# Altium PCB DSP-V1.0.PcbDoc (part 1 of 2)
Units mil, origin at the board's own origin, x right, y up, seen from the top; angles counter-clockwise.
Board outline 3779.53 x 1968.5 mil, 2 copper layers (Top Layer, Bottom Layer); 226 components, 113 nets, 562 pads, 492 vias.
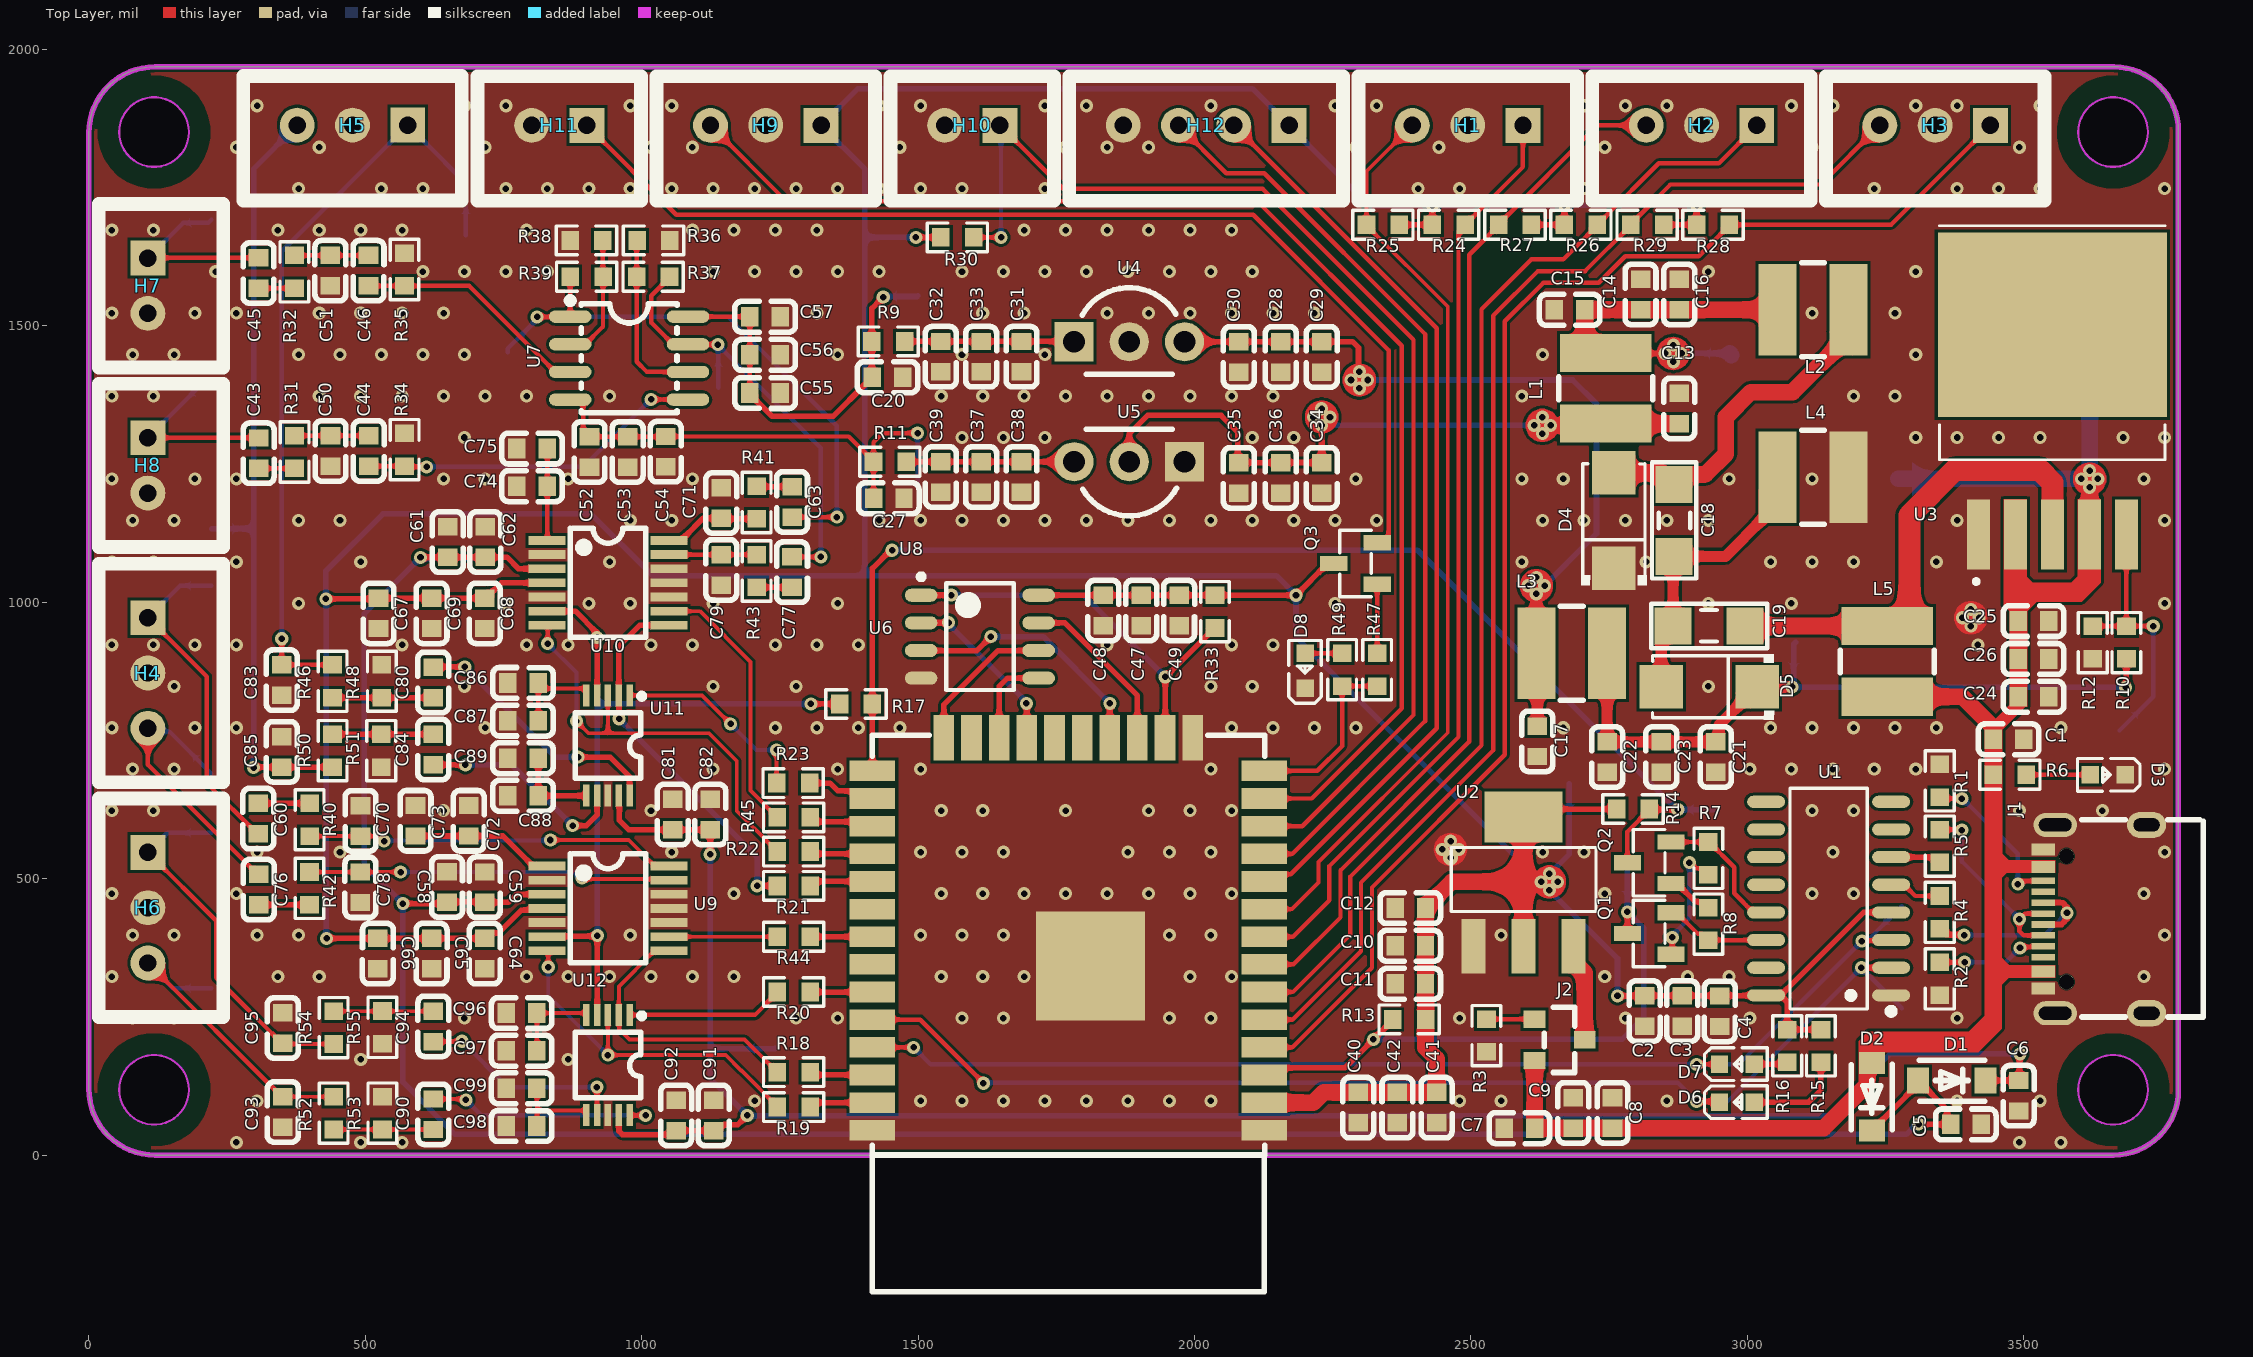
[diagram p0: Top Layer view]
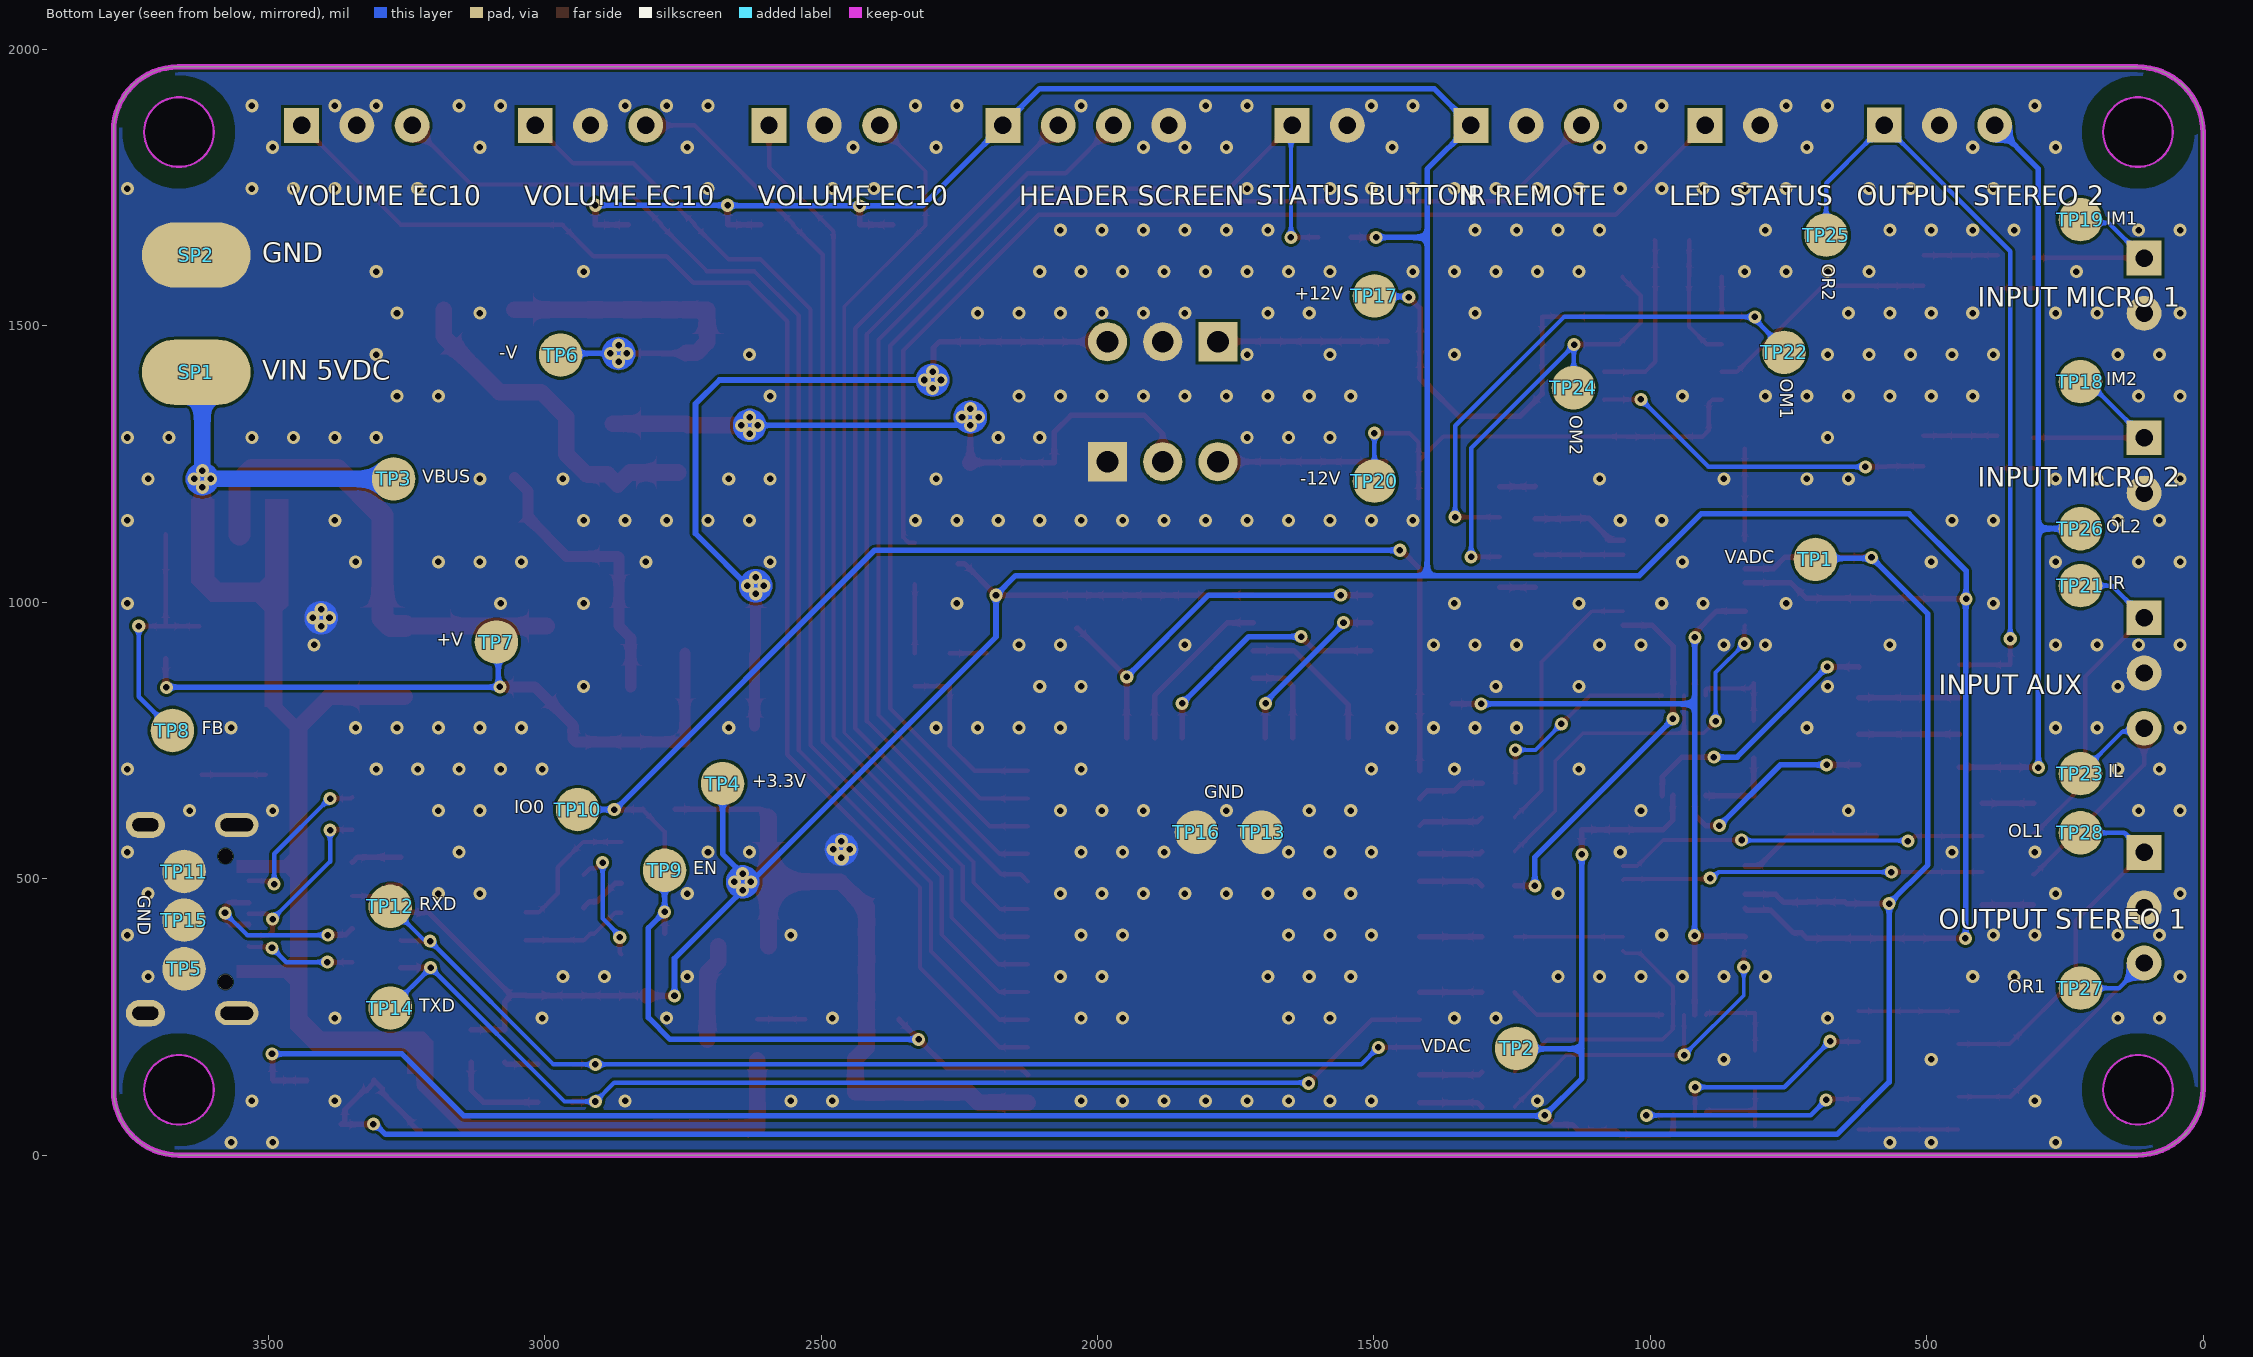
[diagram p1: Bottom Layer view, seen from below]
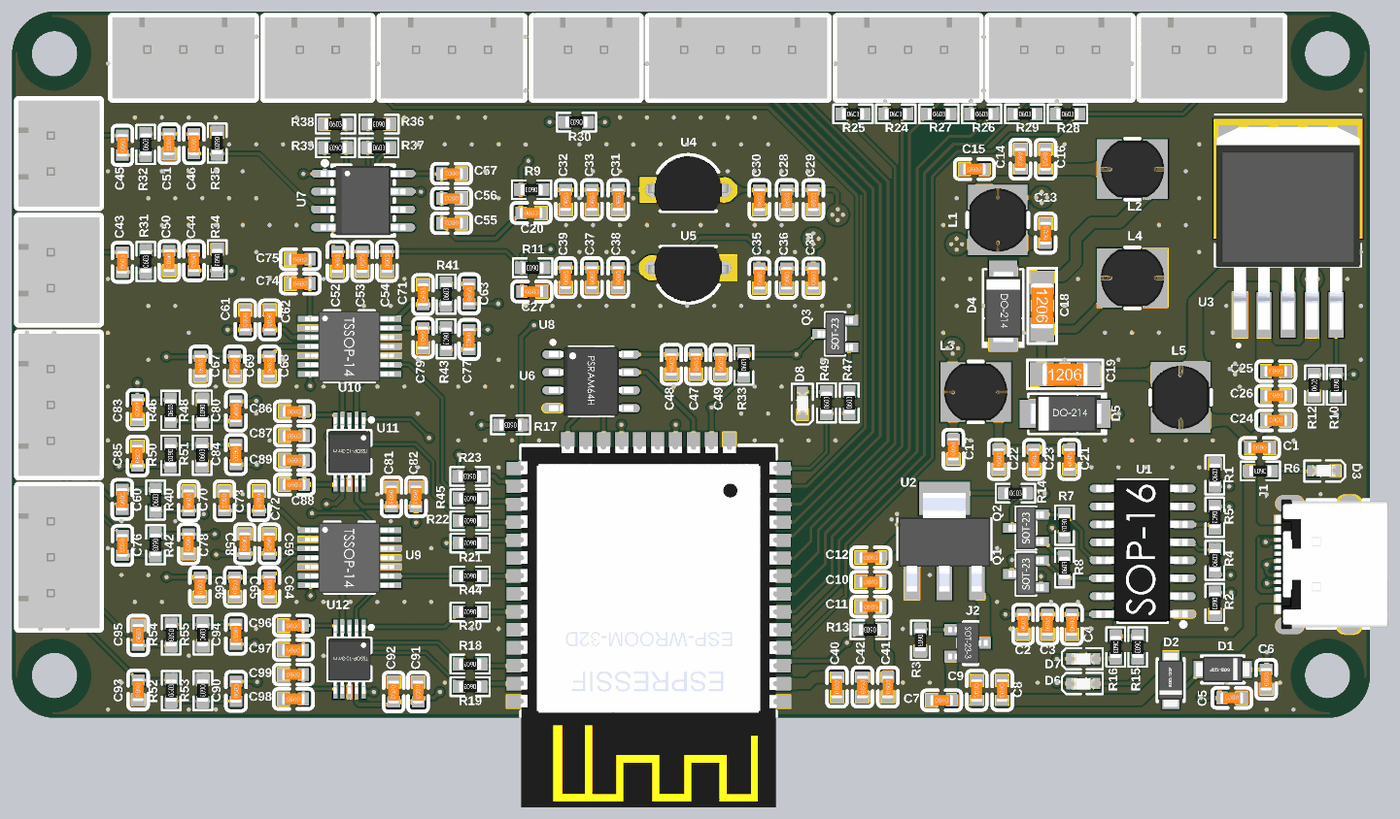
[diagram p3: 3D render of the assembled board from above, using the file's embedded part models]

## Layer stack, top to bottom
Top Solder: solder mask 0.4, Solder Resist, Dk 3.5
Top Layer: signal copper 1.4
Dielectric 1: dielectric 12.6, FR-4, Dk 4.8
Bottom Layer: signal copper 1.4
Bottom Solder: solder mask 0.4, Solder Resist, Dk 3.5

## Board outline
0,120 0,1848.6 cw(c119.9,1848.6) 119.9,1968.5 3662.72,1968.5 cw(c3662.72,1851.7) 3779.53,1851.7 3779.53,117.8 cw(c3661.72,117.8) 3661.72,0 120,0 cw(c120,120)
cut-out: 55.12,118.11 ccw(c118.11,118.11) 118.11,55.12 ccw(c118.11,118.11) 181.1,118.11 ccw(c118.11,118.11) 118.11,181.1 ccw(c118.11,118.11)
cut-out: 118.11,1787.4 cw(c118.11,1850.39) 55.12,1850.39 cw(c118.11,1850.39) 118.11,1913.39 cw(c118.11,1850.39) 181.1,1850.39 cw(c118.11,1850.39)
cut-out: 3598.43,1850.39 ccw(c3661.42,1850.39) 3661.42,1787.4 ccw(c3661.42,1850.39) 3724.41,1850.39 ccw(c3661.42,1850.39) 3661.42,1913.39 ccw(c3661.42,1850.39)
cut-out: 3598.43,118.11 ccw(c3661.42,118.11) 3661.42,55.12 ccw(c3661.42,118.11) 3724.41,118.11 ccw(c3661.42,118.11) 3661.42,181.1 ccw(c3661.42,118.11)

## Design rules (kind name [scope] priority, off if disabled: settings)
BoardOutlineClearance [All] p1: gap=0 ignorepadtopadclearanceinfootprint=FALSE
Clearance [All] p1: gap=5 ignorepadtopadclearanceinfootprint=FALSE except(1: SMDPad-Hole Fill-Hole Poly-Hole Region-Hole; 9.84: Arc-Hole Track-Hole THPad-Hole Via-Hole Text-Hole)
ComponentClearance [All] p1: gap=5 collisioncheckmode=3 verticalgap=5 showdistances=TRUE
DiffPairsRouting [All] p1: maxlimit=10 minlimit=5 mostfreqgap=5 toplayer_minwidth=5 toplayer_maxwidth=1000 toplayer_prefwidth=5 bottomlayer_minwidth=5 bottomlayer_maxwidth=1000 bottomlayer_prefwidth=5 maxuncoupledlength=500
Height [All] p1: minheight=0 maxheight=71497.94 prefheight=500
HoleSize [All] p1: absolutevalues=TRUE maxlimit=248.03 minlimit=11.81 maxpercent=80.000 minpercent=20.000
HoleToHoleClearance [All] p1: gap=7 allowstackedmicrovias=FALSE
MinimumAnnularRing [All] p1: minimumring=3
MinimumSolderMaskSliver [All] p1: minsoldermaskwidth=0
PlaneClearance [All] p1: clearance=5
PlaneConnect PlaneConnectPowerPads [InPadClass('PowerPads')] p1: planeconnectstyle=Direct reliefexpansion=20 reliefentries=4 reliefconductorwidth=10 reliefairgap=10
PlaneConnect [All] p2: pad.planeconnectstyle=Relief pad.reliefexpansion=11.81 pad.reliefentries=4 pad.reliefconductorwidth=5 pad.reliefairgap=5 via.planeconnectstyle=Direct via.reliefexpansion=11.81 via.reliefentries=4 via.reliefconductorwidth=5 via.reliefairgap=5
PolygonConnect PolygonConnectPowerPads [All vs (InPadClass('PowerPads'))] p1: connectstyle=Direct reliefconductorwidth=10 reliefentries=4 polygonreliefangle="90 Angle" airgapwidth=10
PolygonConnect [All] p2: connectstyle=Direct reliefconductorwidth=5 reliefentries=4 polygonreliefangle="90 Angle" airgapwidth=5
RoutingVias [All] p1: holewidth=11.81 width=23.62 viastyle="Through Hole" minholewidth=11.81 minwidth=23.62 maxholewidth=23.62 maxwidth=259.84
SilkToSilkClearance [All] p1: silktosilkclearance=0
SilkToSolderMaskClearance [IsPad] p1: minsilkscreentomaskgap=0 clearancetoexposedcopper=TRUE
SolderMaskExpansion [All] p1: expansion=2.95 istentingtop=FALSE
Width [All] p1: maxlimit=1000 minlimit=5 preferedwidth=5 minimp=50.000000 maximp=50.000000 favimp=50.000000
20 further rules are at their usual default settings.

## Classes and differential pairs
differential pair D: +D_P -D_N

## Components (designator, comment, footprint, x,y, rotation, side; value= is the part's Value field where it differs from the comment)
C1 "100nF" C0603 3472.43,752 r180 top
C2 "100nF" C0603 2814,260.5 r90 top
C3 "10uF" C0603 2882,260.5 r90 top
C4 "22uF" C0603 2950,260.19 r90 top
C5 "1uF" C0603 3395,55.5 r180 top
C6 "1uF" C0603 3490.53,107.44 r90 top
C7 "100nF" C0603 2587.44,48.94 r0 top
C8 "10uF" C0603 2756,76.5 r270 top
C9 "22uF" C0603 2685,76.5 r270 top
C10 "100nF" C0603 2390.22,378.75 r0 top
C11 "10uF" C0603 2390.22,310 r0 top
C12 "22uF" C0603 2390.22,447 r0 top
C13 "100nF" C0603 2876.53,1350.58 r90 top
C14 "100nF" C0603 2806.69,1556.56 r270 top
C15 "10uF" C0603 2678.53,1529 r0 top
C16 "22uF" C0603 2876.53,1556.56 r270 top
C17 "100nF" C0603 2620,748.5 r270 top
C18 "22uF" C1206 2867.53,1148 r270 top
C19 "22uF" C1206 2930.73,957 r0 top
C20 "680nF" C0603 1444.73,1407 r0 top
C21 "100nF" C0603 2942.78,720 r90 top
C22 "10uF" C0603 2746.16,720 r90 top
C23 "22uF" C0603 2844.16,720 r90 top
C24 "100nF" C0603 3517.53,829 r180 top
C25 "10uF" C0603 3517.53,966 r180 top
C26 "22uF" C0603 3517.33,897.42 r180 top
C27 "680nF" C0603 1447,1188 r0 top
C28 "100nF" C0603 2156.06,1443.78 r90 top
C29 "10uF" C0603 2230.02,1443.78 r90 top
C30 "22uF" C0603 2080.15,1443.78 r90 top
C31 "100nF" C0603 1687.06,1444.11 r90 top
C32 "10uF" C0603 1541.02,1444.11 r90 top
C33 "22uF" C0603 1614,1444.11 r90 top
C34 "100nF" C0603 2230.02,1225.01 r90 top
C35 "10uF" C0603 2080.15,1225.01 r90 top
C36 "22uF" C0603 2156.06,1225.01 r90 top
C37 "100nF" C0603 1614,1226.56 r90 top
C38 "10uF" C0603 1687.06,1226.56 r90 top
C39 "22uF" C0603 1541.02,1226.56 r90 top
C40 "100nF" C0603 2296,85.82 r90 top
C41 "10uF" C0603 2437.78,85.82 r90 top
C42 "22uF" C0603 2367,85.82 r90 top
C43 "1uF" C0603 307.22,1269.58 r90 top
C44 "10nF" C0603 506.22,1273.78 r270 top
C45 "1uF" C0603 307,1595.48 r90 top
C46 "10nF" C0603 506,1599.68 r270 top
C47 "100nF" C0603 1903.43,985.13 r90 top
C48 "10uF" C0603 1835,985.13 r90 top
C49 "22uF" C0603 1972,985.13 r90 top
C50 "100nF" C0603 437.22,1273.78 r270 top
C51 "100nF" C0603 437,1599.68 r270 top
C52 "100nF" C0603 905.63,1271.84 r90 top
C53 "10uF" C0603 974.63,1271.84 r90 top
C54 "22uF" C0603 1043.45,1272.28 r90 top
C55 "100nF" C0603 1223.35,1378.4 r180 top
C56 "10uF" C0603 1223.35,1447.4 r180 top
C57 "22uF" C0603 1223.35,1516.4 r180 top
C58 "1uF" C0603 648,485 r270 top
C59 "100nF" C0603 716.25,484.59 r270 top
C60 "1uF" C0603 306.5,608.71 r90 top
C61 "1uF" C0603 649.25,1109 r270 top
C62 "100nF" C0603 717.25,1109 r270 top
C63 "1uF" C0603 1272,1181.5 r90 top
C64 "100nF" C0603 716.25,364.44 r90 top
C65 "10uF" C0603 620,364.44 r90 top
C66 "22uF" C0603 523,364.44 r90 top
C67 "100nF" C0603 524,980 r90 top
C68 "10uF" C0603 716.26,980 r90 top
C69 "22uF" C0603 620,980 r90 top
C70 "10nF" C0603 491.5,604.51 r90 top
C71 "10nF" C0603 1144,1179.5 r90 top
C72 "100nF" C0603 687.25,604.78 r270 top
C73 "10uF" C0603 591,604.78 r270 top
C74 "100nF" C0603 801.81,1210 r0 top
C75 "10uF" C0603 801.81,1278 r0 top
C76 "1uF" C0603 307.25,480.31 r270 top
C77 "1uF" C0603 1272,1054.42 r270 top
C78 "10nF" C0603 491.25,484.51 r270 top
C79 "10nF" C0603 1144,1058.62 r270 top
C80 "10uF" C0603 623,855 r90 top
C81 "1uF" C0603 1056.25,616 r270 top
C82 "100nF" C0603 1124.25,616 r270 top
C83 "33nF" C0603 349,859.1 r270 top
C84 "10uF" C0603 623,733.68 r270 top
C85 "33nF" C0603 349,729.48 r90 top
C86 "100nF" C0603 785.44,854 r0 top
C87 "10uF" C0603 785.44,786 r0 top
C88 "100nF" C0603 785.44,650 r0 top
C89 "10uF" C0603 785.44,718 r0 top
C90 "10uF" C0603 623.25,73.9 r90 top
C91 "1uF" C0603 1130.25,72 r270 top
C92 "100nF" C0603 1062.25,72 r270 top
C93 "33nF" C0603 351,78.1 r270 top
C94 "10uF" C0603 623.25,233 r270 top
C95 "33nF" C0603 351,230 r90 top
C96 "100nF" C0603 783,257 r0 top
C97 "10uF" C0603 783,189 r0 top
C98 "100nF" C0603 783,52.74 r0 top
C99 "10uF" C0603 783,120.74 r0 top
D1 "SOD4007" SOD4007 3369.53,135 r180 top
D2 "SOD4007" SOD4007 3225,105.5 r90 top
D3 "YELLOW" LED0603 3651.53,688.14 r180 top
D4 "SS34" SS34 2758.53,1148 r90 top
D5 "SS34" SS34 2930.73,847 r180 top
D6 "YELLOW" LED0603 2981,95.5 r0 top
D7 "YELLOW" LED0603 2981,164.5 r0 top
D8 "YELLOW" LED0603 2200,876.18 r90 top
H1 "Header 3P 2.54 Duc Thang" XH2.54M-3 2594,1862.5 r180 top
H2 "Header 3P 2.54 Duc Thang" XH2.54M-3 3017,1862.5 r180 top
H3 "Header 3P 2.54 Duc Thang" XH2.54M-3 3439.53,1862.5 r180 top
H4 "Header 3P 2.54 Duc Thang" XH2.54M-3 107,972 r270 top
H5 "Header 3P 2.54 Duc Thang" XH2.54M-3 577,1863 r180 top
H6 "Header 3P 2.54 Duc Thang" XH2.54M-3 107,547.5 r270 top
H7 "IN MICRO 1" XH2.54M-2 107,1622.5 r270 top
H8 "IN MICRO 2" XH2.54M-2 107,1297.5 r270 top
H9 "IR1838B" XH2.54M-3 1324.53,1862.5 r180 top
H10 "BUTTON STATUS" XH2.54M-2 1648,1862.5 r180 top
H11 "LED STATUS" XH2.54M-2 901,1862.5 r180 top
H12 "I2C BUS" XH2.54M-4 2171,1862.5 r180 top
J1 "TYPE-C 16PIN 2MD(073)" TYPE_C_FAMALE 3628.53,427 r90 top
J2 "AO3401A" AO3401A 2660.28,208.5 r180 top
L1 "10uH" CD43 2743.53,1387 r0 top
L2 "220uH" CD43 3118.53,1529 r270 top
L3 "10uH" CD43 2682.18,908 r270 top
L4 "220uH" CD43 3118.53,1226 r270 top
L5 "220uH" CD43 3252.53,892.98 r180 top
Q1 "S8050" S8050 2822.26,400.92 r0 top
Q2 "S8050" S8050 2822.26,528.92 r0 top
Q3 "S8050" S8050 2291,1070 r0 top
R1 "5k1Ω" R0603 3347.78,677 r90 top
R2 "5k1Ω" R0603 3347.78,319 r270 top
R3 "1kΩ" R0603 2528,216.25 r270 top
R4 "0Ω" R0603 3347.78,439 r90 top
R5 "0Ω" R0603 3347.78,559 r270 top
R6 "1kΩ" R0603 3474.53,688 r180 top
R7 "10kΩ" R0603 2929.26,536.66 r270 top
R8 "10kΩ" R0603 2929.26,417.92 r90 top
R9 "2Ω" R0603 1446,1471.67 r180 top
R10 "10kΩ" R0603 3685.39,927.08 r270 top
R11 "2Ω" R0603 1449,1254.12 r180 top
R12 "1kΩ" R0603 3624.53,927.08 r90 top
R13 "4k7Ω" R0603 2388.12,245.5 r180 top
R14 "4k7Ω" R0603 2793,626 r0 top
R15 "1kΩ" R0603 3133,197.5 r270 top
R16 "1kΩ" R0603 3072,197.5 r270 top
R17 "10Ω" R0603 1387.67,816 r180 top
R18 "10Ω" R0603 1275,150 r180 top
R19 "10Ω" R0603 1275,87 r180 top
R20 "10Ω" R0603 1275,295 r180 top
R21 "10Ω" R0603 1275,487 r180 top
R22 "10Ω" R0603 1275,549 r180 top
R23 "10Ω" R0603 1274,673 r180 top
R24 "4k7Ω" R0603 2459.66,1682.72 r0 top
R25 "4k7Ω" R0603 2340.66,1682.72 r0 top
R26 "4k7Ω" R0603 2698.66,1682.72 r0 top
R27 "4k7Ω" R0603 2579.66,1682.72 r0 top
R28 "4k7Ω" R0603 2937.66,1682.72 r0 top
R29 "4k7Ω" R0603 2818.66,1682.72 r0 top
R30 "4k7Ω" R0603 1571,1660 r180 top
R31 "560" R0603 372.22,1271.68 r90 top